# KiCad board NoU2-panelized.kicad_pcb (continued)
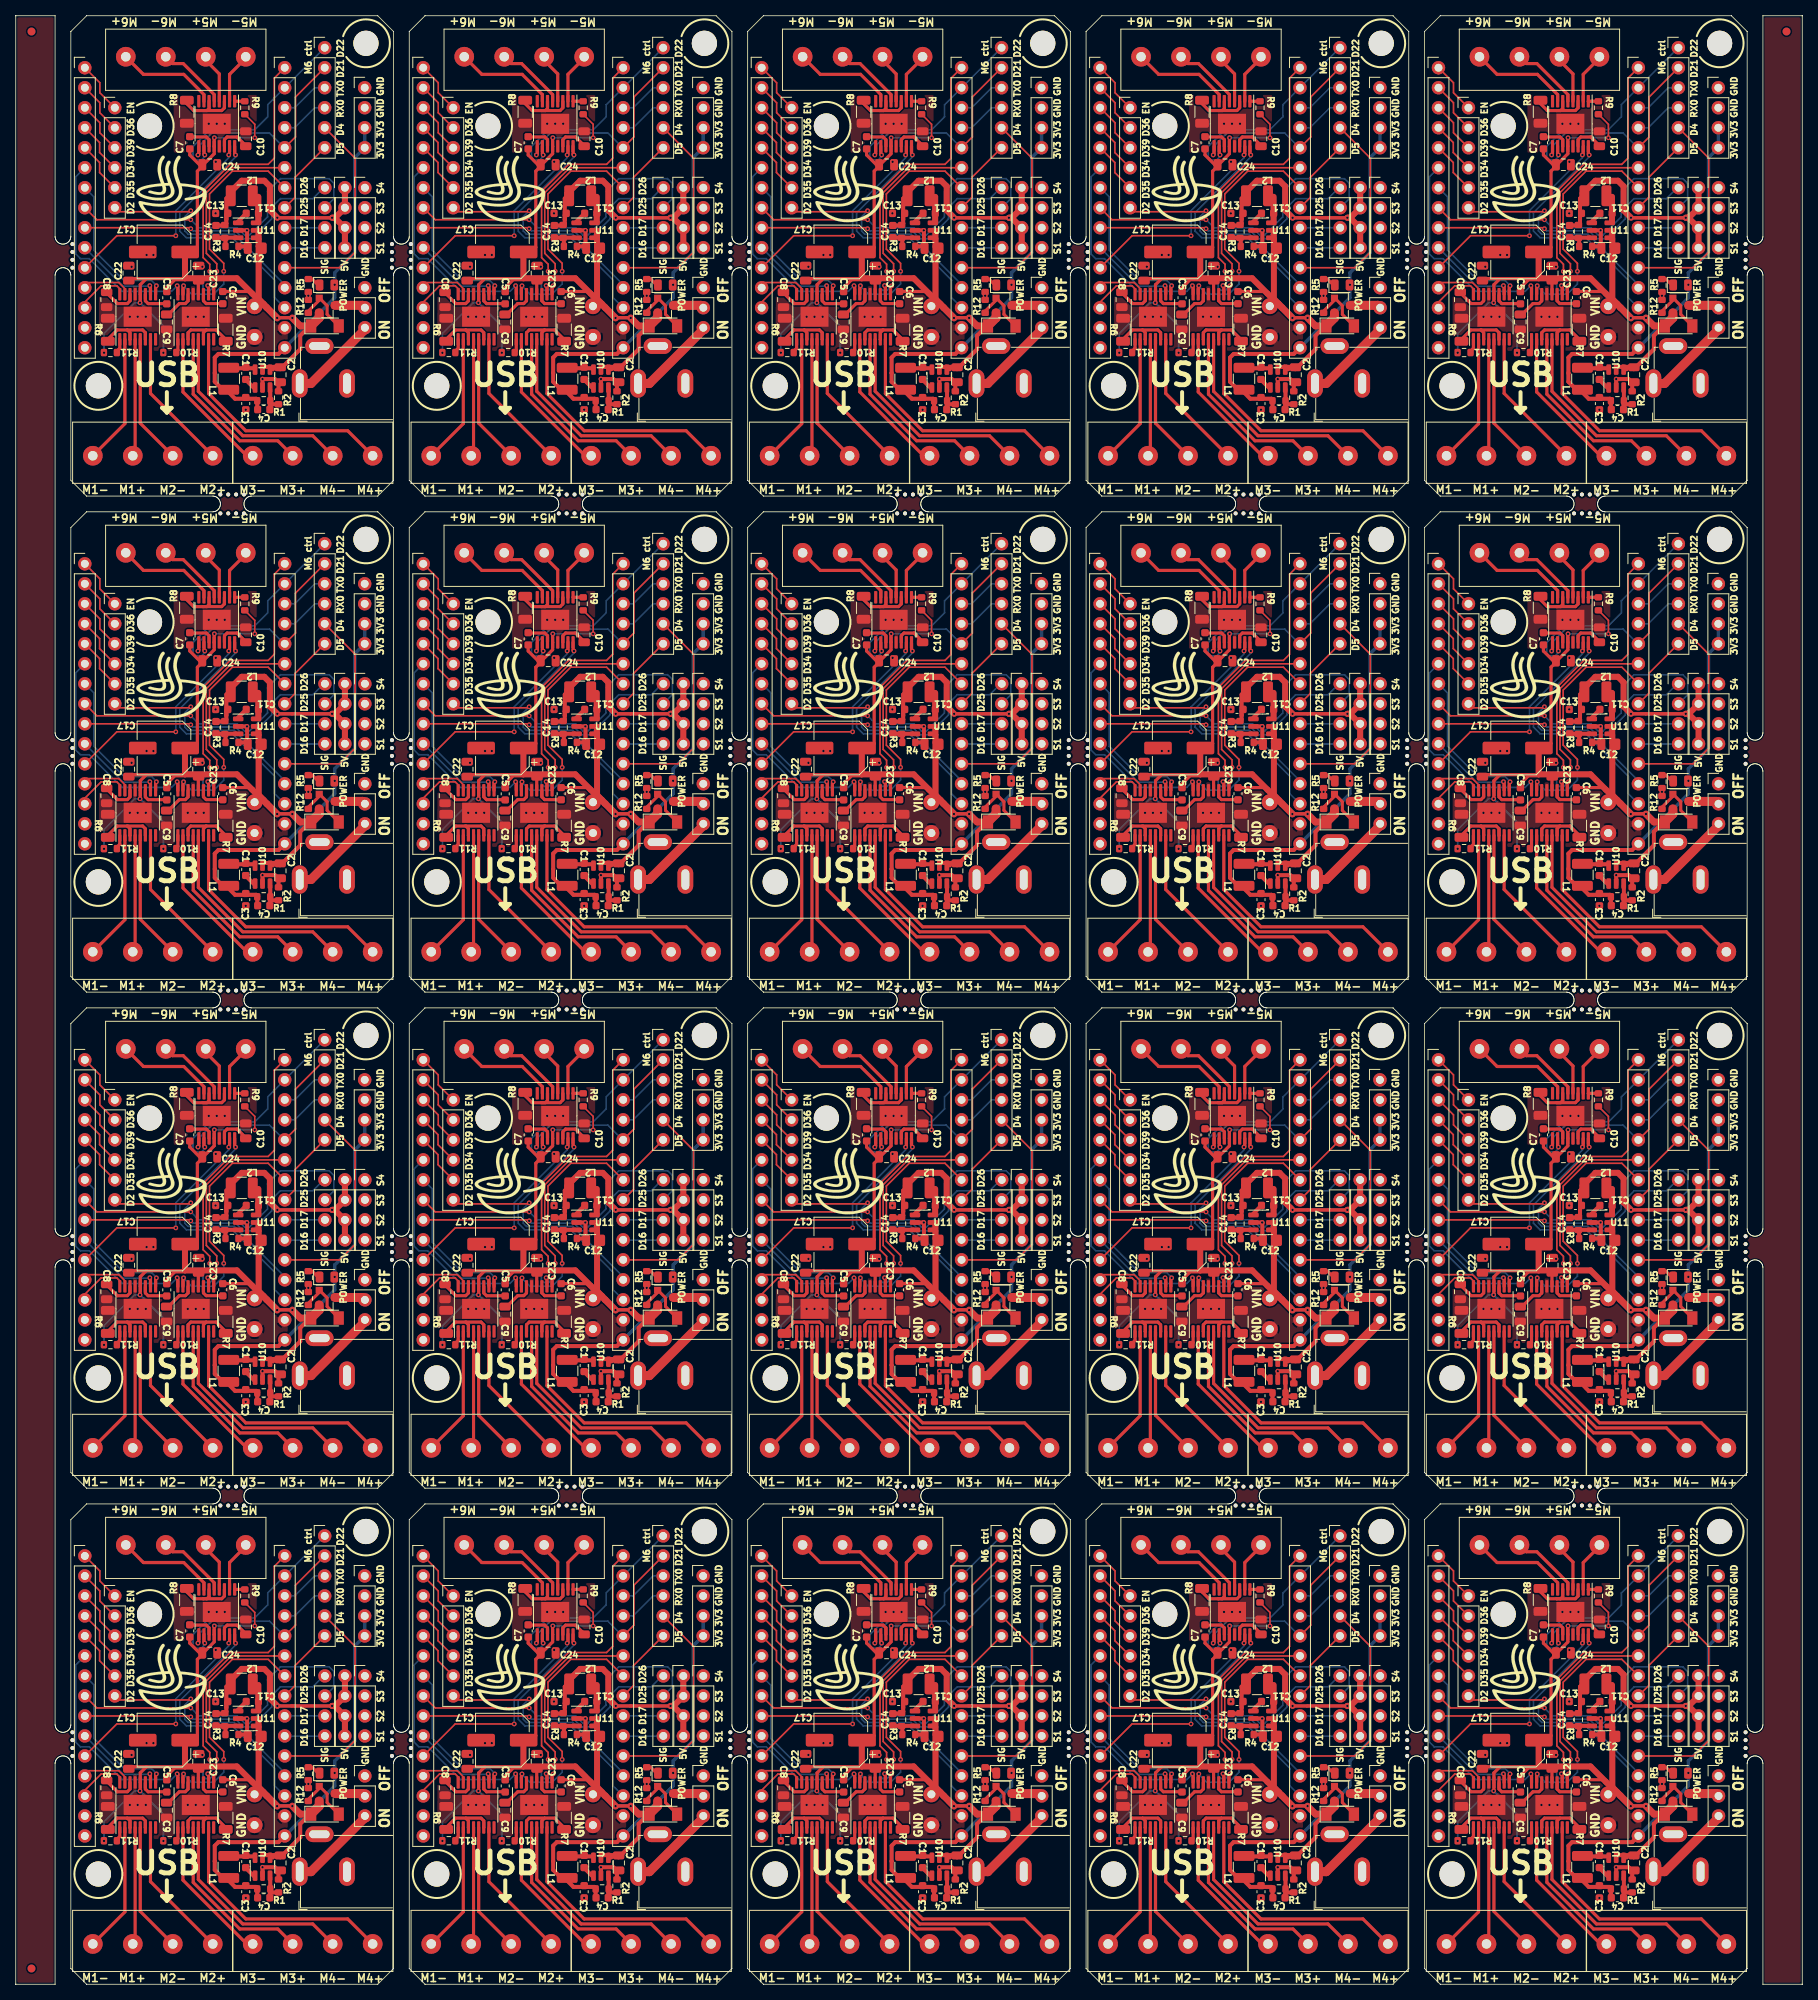
[diagram p0: board, top side]
## Placement (name value [footprint] x y rotation side) (continued)
C23#4  10uF  [C_0805_2012Metric]  109.23 154.31 90 top
C23#5  10uF  [C_0805_2012Metric]  23.23 91.31 90 top
C23#6  10uF  [C_0805_2012Metric]  109.23 28.31 90 top
C23#7  10uF  [C_0805_2012Metric]  23.23 154.31 90 top
C23#8  10uF  [C_0805_2012Metric]  152.23 28.31 90 top
C23#9  10uF  [C_0805_2012Metric]  152.23 154.31 90 top
C23#10  10uF  [C_0805_2012Metric]  66.23 217.31 90 top
C23#11  10uF  [C_0805_2012Metric]  66.23 91.31 90 top
C23#12  10uF  [C_0805_2012Metric]  23.23 217.31 90 top
C23#13  10uF  [C_0805_2012Metric]  66.23 28.31 90 top
C23#14  10uF  [C_0805_2012Metric]  195.23 28.31 90 top
C23#15  10uF  [C_0805_2012Metric]  195.23 217.31 90 top
C23#16  10uF  [C_0805_2012Metric]  195.23 91.31 90 top
C23#17  10uF  [C_0805_2012Metric]  109.23 91.31 90 top
C23#18  10uF  [C_0805_2012Metric]  152.23 91.31 90 top
C23#19  10uF  [C_0805_2012Metric]  66.23 154.31 90 top
C23#20  10uF  [C_0805_2012Metric]  109.23 217.31 90 top
C24  10uF  [C_0805_2012Metric]  67.65 105.08 0 top
C24#2  10uF  [C_0805_2012Metric]  24.65 168.08 0 top
C24#3  10uF  [C_0805_2012Metric]  196.65 168.08 0 top
C24#4  10uF  [C_0805_2012Metric]  24.65 42.08 0 top
C24#5  10uF  [C_0805_2012Metric]  196.65 231.08 0 top
C24#6  10uF  [C_0805_2012Metric]  153.65 168.08 0 top
C24#7  10uF  [C_0805_2012Metric]  196.65 105.08 0 top
C24#8  10uF  [C_0805_2012Metric]  110.65 168.08 0 top
C24#9  10uF  [C_0805_2012Metric]  153.65 105.08 0 top
C24#10  10uF  [C_0805_2012Metric]  24.65 105.08 0 top
C24#11  10uF  [C_0805_2012Metric]  153.65 231.08 0 top
C24#12  10uF  [C_0805_2012Metric]  110.65 105.08 0 top
C24#13  10uF  [C_0805_2012Metric]  67.65 42.08 0 top
C24#14  10uF  [C_0805_2012Metric]  67.65 168.08 0 top
C24#15  10uF  [C_0805_2012Metric]  196.65 42.08 0 top
C24#16  10uF  [C_0805_2012Metric]  110.65 42.08 0 top
C24#17  10uF  [C_0805_2012Metric]  110.65 231.08 0 top
C24#18  10uF  [C_0805_2012Metric]  24.65 231.08 0 top
C24#19  10uF  [C_0805_2012Metric]  67.65 231.08 0 top
C24#20  10uF  [C_0805_2012Metric]  153.65 42.08 0 top
D1  LED  [LED_0805_2012Metric]  125.54 152.81 0 top
D1#2  LED  [LED_0805_2012Metric]  125.54 26.81 0 top
D1#3  LED  [LED_0805_2012Metric]  39.54 89.81 0 top
D1#4  LED  [LED_0805_2012Metric]  82.54 26.81 0 top
D1#5  LED  [LED_0805_2012Metric]  211.54 26.81 0 top
D1#6  LED  [LED_0805_2012Metric]  168.54 26.81 0 top
D1#7  LED  [LED_0805_2012Metric]  39.54 215.81 0 top
D1#8  LED  [LED_0805_2012Metric]  125.54 89.81 0 top
D1#9  LED  [LED_0805_2012Metric]  211.54 152.81 0 top
D1#10  LED  [LED_0805_2012Metric]  82.54 89.81 0 top
D1#11  LED  [LED_0805_2012Metric]  168.54 152.81 0 top
D1#12  LED  [LED_0805_2012Metric]  168.54 215.81 0 top
D1#13  LED  [LED_0805_2012Metric]  39.54 26.81 0 top
D1#14  LED  [LED_0805_2012Metric]  82.54 215.81 0 top
D1#15  LED  [LED_0805_2012Metric]  82.54 152.81 0 top
D1#16  LED  [LED_0805_2012Metric]  125.54 215.81 0 top
D1#17  LED  [LED_0805_2012Metric]  39.54 152.81 0 top
D1#18  LED  [LED_0805_2012Metric]  211.54 215.81 0 top
D1#19  LED  [LED_0805_2012Metric]  211.54 89.81 0 top
D1#20  LED  [LED_0805_2012Metric]  168.54 89.81 0 top
D2  ZMM5V6  [D_MiniMELF]  168.28 21.6 0 top
D2#2  ZMM5V6  [D_MiniMELF]  125.28 84.6 0 top
D2#3  ZMM5V6  [D_MiniMELF]  82.28 210.6 0 top
D2#4  ZMM5V6  [D_MiniMELF]  211.28 147.6 0 top
D2#5  ZMM5V6  [D_MiniMELF]  168.28 210.6 0 top
D2#6  ZMM5V6  [D_MiniMELF]  39.28 21.6 0 top
D2#7  ZMM5V6  [D_MiniMELF]  211.28 84.6 0 top
D2#8  ZMM5V6  [D_MiniMELF]  211.28 21.6 0 top
D2#9  ZMM5V6  [D_MiniMELF]  82.28 84.6 0 top
D2#10  ZMM5V6  [D_MiniMELF]  82.28 147.6 0 top
D2#11  ZMM5V6  [D_MiniMELF]  211.28 210.6 0 top
D2#12  ZMM5V6  [D_MiniMELF]  125.28 210.6 0 top
D2#13  ZMM5V6  [D_MiniMELF]  125.28 21.6 0 top
D2#14  ZMM5V6  [D_MiniMELF]  168.28 84.6 0 top
D2#15  ZMM5V6  [D_MiniMELF]  39.28 210.6 0 top
D2#16  ZMM5V6  [D_MiniMELF]  82.28 21.6 0 top
D2#17  ZMM5V6  [D_MiniMELF]  39.28 84.6 0 top
D2#18  ZMM5V6  [D_MiniMELF]  125.28 147.6 0 top
D2#19  ZMM5V6  [D_MiniMELF]  39.28 147.6 0 top
D2#20  ZMM5V6  [D_MiniMELF]  168.28 147.6 0 top
G***  LOGO  [Alfredo_logo_small]  19.8 165 0 top
G***#2  LOGO  [Alfredo_logo_small]  148.8 228 0 top
G***#3  LOGO  [Alfredo_logo_small]  19.8 39 0 top
G***#4  LOGO  [Alfredo_logo_small]  191.8 165 0 top
G***#5  LOGO  [Alfredo_logo_small]  105.8 228 0 top
G***#6  LOGO  [Alfredo_logo_small]  62.8 165 0 top
G***#7  LOGO  [Alfredo_logo_small]  148.8 102 0 top
G***#8  LOGO  [Alfredo_logo_small]  62.8 102 0 top
G***#9  LOGO  [Alfredo_logo_small]  148.8 39 0 top
G***#10  LOGO  [Alfredo_logo_small]  191.8 102 0 top
G***#11  LOGO  [Alfredo_logo_small]  62.8 39 0 top
G***#12  LOGO  [Alfredo_logo_small]  105.8 102 0 top
G***#13  LOGO  [Alfredo_logo_small]  19.8 102 0 top
G***#14  LOGO  [Alfredo_logo_small]  105.8 39 0 top
G***#15  LOGO  [Alfredo_logo_small]  62.8 228 0 top
G***#16  LOGO  [Alfredo_logo_small]  105.8 165 0 top
G***#17  LOGO  [Alfredo_logo_small]  19.8 228 0 top
G***#18  LOGO  [Alfredo_logo_small]  191.8 228 0 top
G***#19  LOGO  [Alfredo_logo_small]  191.8 39 0 top
G***#20  LOGO  [Alfredo_logo_small]  148.8 165 0 top
J1  Conn_01x06_Male  [PinHeader_1x06_P2.54mm_Vertical]  168.26 119.94 0 top
J1#2  Conn_01x06_Male  [PinHeader_1x06_P2.54mm_Vertical]  82.26 182.94 0 top
J1#3  Conn_01x06_Male  [PinHeader_1x06_P2.54mm_Vertical]  39.26 119.94 0 top
J1#4  Conn_01x06_Male  [PinHeader_1x06_P2.54mm_Vertical]  39.26 245.94 0 top
J1#5  Conn_01x06_Male  [PinHeader_1x06_P2.54mm_Vertical]  125.26 245.94 0 top
J1#6  Conn_01x06_Male  [PinHeader_1x06_P2.54mm_Vertical]  168.26 56.94 0 top
J1#7  Conn_01x06_Male  [PinHeader_1x06_P2.54mm_Vertical]  211.26 56.94 0 top
J1#8  Conn_01x06_Male  [PinHeader_1x06_P2.54mm_Vertical]  39.26 56.94 0 top
J1#9  Conn_01x06_Male  [PinHeader_1x06_P2.54mm_Vertical]  211.26 119.94 0 top
J1#10  Conn_01x06_Male  [PinHeader_1x06_P2.54mm_Vertical]  125.26 182.94 0 top
J1#11  Conn_01x06_Male  [PinHeader_1x06_P2.54mm_Vertical]  168.26 182.94 0 top
J1#12  Conn_01x06_Male  [PinHeader_1x06_P2.54mm_Vertical]  125.26 119.94 0 top
J1#13  Conn_01x06_Male  [PinHeader_1x06_P2.54mm_Vertical]  168.26 245.94 0 top
J1#14  Conn_01x06_Male  [PinHeader_1x06_P2.54mm_Vertical]  211.26 245.94 0 top
J1#15  Conn_01x06_Male  [PinHeader_1x06_P2.54mm_Vertical]  82.26 56.94 0 top
J1#16  Conn_01x06_Male  [PinHeader_1x06_P2.54mm_Vertical]  82.26 245.94 0 top
J1#17  Conn_01x06_Male  [PinHeader_1x06_P2.54mm_Vertical]  82.26 119.94 0 top
J1#18  Conn_01x06_Male  [PinHeader_1x06_P2.54mm_Vertical]  39.26 182.94 0 top
J1#19  Conn_01x06_Male  [PinHeader_1x06_P2.54mm_Vertical]  125.26 56.94 0 top
J1#20  Conn_01x06_Male  [PinHeader_1x06_P2.54mm_Vertical]  211.26 182.94 0 top
J2  Conn_01x04_Male  [PinHeader_1x04_P2.54mm_Vertical]  39.28 39.16 0 top
J2#2  Conn_01x04_Male  [PinHeader_1x04_P2.54mm_Vertical]  211.28 102.16 0 top
J2#3  Conn_01x04_Male  [PinHeader_1x04_P2.54mm_Vertical]  211.28 228.16 0 top
J2#4  Conn_01x04_Male  [PinHeader_1x04_P2.54mm_Vertical]  39.28 165.16 0 top
J2#5  Conn_01x04_Male  [PinHeader_1x04_P2.54mm_Vertical]  125.28 165.16 0 top
J2#6  Conn_01x04_Male  [PinHeader_1x04_P2.54mm_Vertical]  168.28 102.16 0 top
J2#7  Conn_01x04_Male  [PinHeader_1x04_P2.54mm_Vertical]  82.28 228.16 0 top
J2#8  Conn_01x04_Male  [PinHeader_1x04_P2.54mm_Vertical]  168.28 39.16 0 top
J2#9  Conn_01x04_Male  [PinHeader_1x04_P2.54mm_Vertical]  168.28 165.16 0 top
J2#10  Conn_01x04_Male  [PinHeader_1x04_P2.54mm_Vertical]  211.28 165.16 0 top
J2#11  Conn_01x04_Male  [PinHeader_1x04_P2.54mm_Vertical]  39.28 102.16 0 top
J2#12  Conn_01x04_Male  [PinHeader_1x04_P2.54mm_Vertical]  168.28 228.16 0 top
J2#13  Conn_01x04_Male  [PinHeader_1x04_P2.54mm_Vertical]  125.28 228.16 0 top
J2#14  Conn_01x04_Male  [PinHeader_1x04_P2.54mm_Vertical]  211.28 39.16 0 top
J2#15  Conn_01x04_Male  [PinHeader_1x04_P2.54mm_Vertical]  82.28 102.16 0 top
J2#16  Conn_01x04_Male  [PinHeader_1x04_P2.54mm_Vertical]  125.28 102.16 0 top
J2#17  Conn_01x04_Male  [PinHeader_1x04_P2.54mm_Vertical]  82.28 39.16 0 top
J2#18  Conn_01x04_Male  [PinHeader_1x04_P2.54mm_Vertical]  82.28 165.16 0 top
J2#19  Conn_01x04_Male  [PinHeader_1x04_P2.54mm_Vertical]  125.28 39.16 0 top
J2#20  Conn_01x04_Male  [PinHeader_1x04_P2.54mm_Vertical]  39.28 228.16 0 top
J3  Conn_01x04_Male  [PinHeader_1x04_P2.54mm_Vertical]  44.34 177.86 0 top
J3#2  Conn_01x04_Male  [PinHeader_1x04_P2.54mm_Vertical]  173.34 240.86 0 top
J3#3  Conn_01x04_Male  [PinHeader_1x04_P2.54mm_Vertical]  130.34 114.86 0 top
J3#4  Conn_01x04_Male  [PinHeader_1x04_P2.54mm_Vertical]  173.34 114.86 0 top
J3#5  Conn_01x04_Male  [PinHeader_1x04_P2.54mm_Vertical]  87.34 114.86 0 top
J3#6  Conn_01x04_Male  [PinHeader_1x04_P2.54mm_Vertical]  173.34 177.86 0 top
J3#7  Conn_01x04_Male  [PinHeader_1x04_P2.54mm_Vertical]  173.34 51.86 0 top
J3#8  Conn_01x04_Male  [PinHeader_1x04_P2.54mm_Vertical]  44.34 51.86 0 top
J3#9  Conn_01x04_Male  [PinHeader_1x04_P2.54mm_Vertical]  130.34 240.86 0 top
J3#10  Conn_01x04_Male  [PinHeader_1x04_P2.54mm_Vertical]  130.34 177.86 0 top
J3#11  Conn_01x04_Male  [PinHeader_1x04_P2.54mm_Vertical]  130.34 51.86 0 top
J3#12  Conn_01x04_Male  [PinHeader_1x04_P2.54mm_Vertical]  216.34 177.86 0 top
J3#13  Conn_01x04_Male  [PinHeader_1x04_P2.54mm_Vertical]  216.34 51.86 0 top
J3#14  Conn_01x04_Male  [PinHeader_1x04_P2.54mm_Vertical]  87.34 177.86 0 top
J3#15  Conn_01x04_Male  [PinHeader_1x04_P2.54mm_Vertical]  44.34 114.86 0 top
J3#16  Conn_01x04_Male  [PinHeader_1x04_P2.54mm_Vertical]  216.34 114.86 0 top
J3#17  Conn_01x04_Male  [PinHeader_1x04_P2.54mm_Vertical]  216.34 240.86 0 top
J3#18  Conn_01x04_Male  [PinHeader_1x04_P2.54mm_Vertical]  44.34 240.86 0 top
J3#19  Conn_01x04_Male  [PinHeader_1x04_P2.54mm_Vertical]  87.34 51.86 0 top
J3#20  Conn_01x04_Male  [PinHeader_1x04_P2.54mm_Vertical]  87.34 240.86 0 top
J4  Conn_01x06_Male  [PinHeader_1x06_P2.54mm_Vertical]  141.59 175.32 0 top
J4#2  Conn_01x06_Male  [PinHeader_1x06_P2.54mm_Vertical]  141.59 49.32 0 top
J4#3  Conn_01x06_Male  [PinHeader_1x06_P2.54mm_Vertical]  141.59 112.32 0 top
J4#4  Conn_01x06_Male  [PinHeader_1x06_P2.54mm_Vertical]  55.59 112.32 0 top
J4#5  Conn_01x06_Male  [PinHeader_1x06_P2.54mm_Vertical]  55.59 238.32 0 top
J4#6  Conn_01x06_Male  [PinHeader_1x06_P2.54mm_Vertical]  55.59 175.32 0 top
J4#7  Conn_01x06_Male  [PinHeader_1x06_P2.54mm_Vertical]  184.59 175.32 0 top
J4#8  Conn_01x06_Male  [PinHeader_1x06_P2.54mm_Vertical]  141.59 238.32 0 top
J4#9  Conn_01x06_Male  [PinHeader_1x06_P2.54mm_Vertical]  12.59 112.32 0 top
J4#10  Conn_01x06_Male  [PinHeader_1x06_P2.54mm_Vertical]  55.59 49.32 0 top
J4#11  Conn_01x06_Male  [PinHeader_1x06_P2.54mm_Vertical]  98.59 112.32 0 top
J4#12  Conn_01x06_Male  [PinHeader_1x06_P2.54mm_Vertical]  184.59 112.32 0 top
J4#13  Conn_01x06_Male  [PinHeader_1x06_P2.54mm_Vertical]  184.59 49.32 0 top
J4#14  Conn_01x06_Male  [PinHeader_1x06_P2.54mm_Vertical]  12.59 49.32 0 top
J4#15  Conn_01x06_Male  [PinHeader_1x06_P2.54mm_Vertical]  98.59 238.32 0 top
J4#16  Conn_01x06_Male  [PinHeader_1x06_P2.54mm_Vertical]  98.59 49.32 0 top
J4#17  Conn_01x06_Male  [PinHeader_1x06_P2.54mm_Vertical]  12.59 238.32 0 top
J4#18  Conn_01x06_Male  [PinHeader_1x06_P2.54mm_Vertical]  98.59 175.32 0 top
J4#19  Conn_01x06_Male  [PinHeader_1x06_P2.54mm_Vertical]  12.59 175.32 0 top
J4#20  Conn_01x06_Male  [PinHeader_1x06_P2.54mm_Vertical]  184.59 238.32 0 top
J5  Conn_01x04_Male  [PinHeader_1x04_P2.54mm_Vertical]  44.36 228.16 0 top
J5#2  Conn_01x04_Male  [PinHeader_1x04_P2.54mm_Vertical]  44.36 165.16 0 top
J5#3  Conn_01x04_Male  [PinHeader_1x04_P2.54mm_Vertical]  173.36 228.16 0 top
J5#4  Conn_01x04_Male  [PinHeader_1x04_P2.54mm_Vertical]  87.36 102.16 0 top
J5#5  Conn_01x04_Male  [PinHeader_1x04_P2.54mm_Vertical]  130.36 165.16 0 top
J5#6  Conn_01x04_Male  [PinHeader_1x04_P2.54mm_Vertical]  87.36 39.16 0 top
J5#7  Conn_01x04_Male  [PinHeader_1x04_P2.54mm_Vertical]  130.36 102.16 0 top
J5#8  Conn_01x04_Male  [PinHeader_1x04_P2.54mm_Vertical]  130.36 39.16 0 top
J5#9  Conn_01x04_Male  [PinHeader_1x04_P2.54mm_Vertical]  216.36 39.16 0 top
J5#10  Conn_01x04_Male  [PinHeader_1x04_P2.54mm_Vertical]  87.36 165.16 0 top
J5#11  Conn_01x04_Male  [PinHeader_1x04_P2.54mm_Vertical]  44.36 102.16 0 top
J5#12  Conn_01x04_Male  [PinHeader_1x04_P2.54mm_Vertical]  216.36 165.16 0 top
J5#13  Conn_01x04_Male  [PinHeader_1x04_P2.54mm_Vertical]  173.36 102.16 0 top
J5#14  Conn_01x04_Male  [PinHeader_1x04_P2.54mm_Vertical]  44.36 39.16 0 top
J5#15  Conn_01x04_Male  [PinHeader_1x04_P2.54mm_Vertical]  130.36 228.16 0 top
J5#16  Conn_01x04_Male  [PinHeader_1x04_P2.54mm_Vertical]  216.36 228.16 0 top
J5#17  Conn_01x04_Male  [PinHeader_1x04_P2.54mm_Vertical]  216.36 102.16 0 top
J5#18  Conn_01x04_Male  [PinHeader_1x04_P2.54mm_Vertical]  87.36 228.16 0 top
J5#19  Conn_01x04_Male  [PinHeader_1x04_P2.54mm_Vertical]  173.36 39.16 0 top
J5#20  Conn_01x04_Male  [PinHeader_1x04_P2.54mm_Vertical]  173.36 165.16 0 top
J6  Screw_Terminal_01x04  [TerminalBlock_bornier-4_P5.08mm]  52.79 194.12 0 top
J6#2  Screw_Terminal_01x04  [TerminalBlock_bornier-4_P5.08mm]  138.79 131.12 0 top
J6#3  Screw_Terminal_01x04  [TerminalBlock_bornier-4_P5.08mm]  181.79 68.12 0 top
J6#4  Screw_Terminal_01x04  [TerminalBlock_bornier-4_P5.08mm]  138.79 68.12 0 top
J6#5  Screw_Terminal_01x04  [TerminalBlock_bornier-4_P5.08mm]  138.79 5.12 0 top
J6#6  Screw_Terminal_01x04  [TerminalBlock_bornier-4_P5.08mm]  52.79 131.12 0 top
J6#7  Screw_Terminal_01x04  [TerminalBlock_bornier-4_P5.08mm]  52.79 5.12 0 top
J6#8  Screw_Terminal_01x04  [TerminalBlock_bornier-4_P5.08mm]  9.79 194.12 0 top
J6#9  Screw_Terminal_01x04  [TerminalBlock_bornier-4_P5.08mm]  138.79 194.12 0 top
J6#10  Screw_Terminal_01x04  [TerminalBlock_bornier-4_P5.08mm]  181.79 5.12 0 top
J6#11  Screw_Terminal_01x04  [TerminalBlock_bornier-4_P5.08mm]  181.79 131.12 0 top
J6#12  Screw_Terminal_01x04  [TerminalBlock_bornier-4_P5.08mm]  95.79 194.12 0 top
J6#13  Screw_Terminal_01x04  [TerminalBlock_bornier-4_P5.08mm]  9.79 5.12 0 top
J6#14  Screw_Terminal_01x04  [TerminalBlock_bornier-4_P5.08mm]  95.79 131.12 0 top
J6#15  Screw_Terminal_01x04  [TerminalBlock_bornier-4_P5.08mm]  95.79 68.12 0 top
J6#16  Screw_Terminal_01x04  [TerminalBlock_bornier-4_P5.08mm]  95.79 5.12 0 top
J6#17  Screw_Terminal_01x04  [TerminalBlock_bornier-4_P5.08mm]  9.79 131.12 0 top
J6#18  Screw_Terminal_01x04  [TerminalBlock_bornier-4_P5.08mm]  181.79 194.12 0 top
J6#19  Screw_Terminal_01x04  [TerminalBlock_bornier-4_P5.08mm]  9.79 68.12 0 top
J6#20  Screw_Terminal_01x04  [TerminalBlock_bornier-4_P5.08mm]  52.79 68.12 0 top
J7  Screw_Terminal_01x04  [TerminalBlock_bornier-4_P5.08mm]  30.11 5.12 0 top
J7#2  Screw_Terminal_01x04  [TerminalBlock_bornier-4_P5.08mm]  73.11 5.12 0 top
J7#3  Screw_Terminal_01x04  [TerminalBlock_bornier-4_P5.08mm]  30.11 68.12 0 top
J7#4  Screw_Terminal_01x04  [TerminalBlock_bornier-4_P5.08mm]  202.11 5.12 0 top
J7#5  Screw_Terminal_01x04  [TerminalBlock_bornier-4_P5.08mm]  30.11 131.12 0 top
J7#6  Screw_Terminal_01x04  [TerminalBlock_bornier-4_P5.08mm]  159.11 194.12 0 top
J7#7  Screw_Terminal_01x04  [TerminalBlock_bornier-4_P5.08mm]  73.11 68.12 0 top
J7#8  Screw_Terminal_01x04  [TerminalBlock_bornier-4_P5.08mm]  116.11 5.12 0 top
J7#9  Screw_Terminal_01x04  [TerminalBlock_bornier-4_P5.08mm]  30.11 194.12 0 top
J7#10  Screw_Terminal_01x04  [TerminalBlock_bornier-4_P5.08mm]  202.11 194.12 0 top
J7#11  Screw_Terminal_01x04  [TerminalBlock_bornier-4_P5.08mm]  116.11 131.12 0 top
J7#12  Screw_Terminal_01x04  [TerminalBlock_bornier-4_P5.08mm]  116.11 68.12 0 top
J7#13  Screw_Terminal_01x04  [TerminalBlock_bornier-4_P5.08mm]  159.11 131.12 0 top
J7#14  Screw_Terminal_01x04  [TerminalBlock_bornier-4_P5.08mm]  202.11 68.12 0 top
J7#15  Screw_Terminal_01x04  [TerminalBlock_bornier-4_P5.08mm]  202.11 131.12 0 top
J7#16  Screw_Terminal_01x04  [TerminalBlock_bornier-4_P5.08mm]  159.11 68.12 0 top
J7#17  Screw_Terminal_01x04  [TerminalBlock_bornier-4_P5.08mm]  116.11 194.12 0 top
J7#18  Screw_Terminal_01x04  [TerminalBlock_bornier-4_P5.08mm]  159.11 5.12 0 top
J7#19  Screw_Terminal_01x04  [TerminalBlock_bornier-4_P5.08mm]  73.11 131.12 0 top
J7#20  Screw_Terminal_01x04  [TerminalBlock_bornier-4_P5.08mm]  73.11 194.12 0 top
J8  Screw_Terminal_01x04  [TerminalBlock_bornier-4_P5.08mm]  29.23 118.79 180 top
J8#2  Screw_Terminal_01x04  [TerminalBlock_bornier-4_P5.08mm]  201.22 244.79 180 top
J8#3  Screw_Terminal_01x04  [TerminalBlock_bornier-4_P5.08mm]  115.22 181.79 180 top
J8#4  Screw_Terminal_01x04  [TerminalBlock_bornier-4_P5.08mm]  115.22 244.79 180 top
J8#5  Screw_Terminal_01x04  [TerminalBlock_bornier-4_P5.08mm]  29.23 55.79 180 top
J8#6  Screw_Terminal_01x04  [TerminalBlock_bornier-4_P5.08mm]  29.23 244.79 180 top
J8#7  Screw_Terminal_01x04  [TerminalBlock_bornier-4_P5.08mm]  29.23 181.79 180 top
J8#8  Screw_Terminal_01x04  [TerminalBlock_bornier-4_P5.08mm]  72.22 118.79 180 top
J8#9  Screw_Terminal_01x04  [TerminalBlock_bornier-4_P5.08mm]  201.22 55.79 180 top
J8#10  Screw_Terminal_01x04  [TerminalBlock_bornier-4_P5.08mm]  72.22 244.79 180 top
J8#11  Screw_Terminal_01x04  [TerminalBlock_bornier-4_P5.08mm]  158.22 118.79 180 top
J8#12  Screw_Terminal_01x04  [TerminalBlock_bornier-4_P5.08mm]  115.22 118.79 180 top
J8#13  Screw_Terminal_01x04  [TerminalBlock_bornier-4_P5.08mm]  201.22 118.79 180 top
J8#14  Screw_Terminal_01x04  [TerminalBlock_bornier-4_P5.08mm]  201.22 181.79 180 top
J8#15  Screw_Terminal_01x04  [TerminalBlock_bornier-4_P5.08mm]  158.22 244.79 180 top
J8#16  Screw_Terminal_01x04  [TerminalBlock_bornier-4_P5.08mm]  158.22 55.79 180 top
J8#17  Screw_Terminal_01x04  [TerminalBlock_bornier-4_P5.08mm]  158.22 181.79 180 top
J8#18  Screw_Terminal_01x04  [TerminalBlock_bornier-4_P5.08mm]  72.22 181.79 180 top
J8#19  Screw_Terminal_01x04  [TerminalBlock_bornier-4_P5.08mm]  115.22 55.79 180 top
J8#20  Screw_Terminal_01x04  [TerminalBlock_bornier-4_P5.08mm]  72.22 55.79 180 top
J9  Barrel_Jack  [BarrelJack_Horizontal_Good]  208.08 14.3 180 top
J9#2  Barrel_Jack  [BarrelJack_Horizontal_Good]  122.08 77.3 180 top
J9#3  Barrel_Jack  [BarrelJack_Horizontal_Good]  79.08 77.3 180 top
J9#4  Barrel_Jack  [BarrelJack_Horizontal_Good]  79.08 14.3 180 top
J9#5  Barrel_Jack  [BarrelJack_Horizontal_Good]  165.08 140.3 180 top
J9#6  Barrel_Jack  [BarrelJack_Horizontal_Good]  165.08 203.3 180 top
J9#7  Barrel_Jack  [BarrelJack_Horizontal_Good]  165.08 14.3 180 top
J9#8  Barrel_Jack  [BarrelJack_Horizontal_Good]  208.08 140.3 180 top
J9#9  Barrel_Jack  [BarrelJack_Horizontal_Good]  122.08 203.3 180 top
J9#10  Barrel_Jack  [BarrelJack_Horizontal_Good]  79.08 140.3 180 top
J9#11  Barrel_Jack  [BarrelJack_Horizontal_Good]  122.08 140.3 180 top
J9#12  Barrel_Jack  [BarrelJack_Horizontal_Good]  165.08 77.3 180 top
J9#13  Barrel_Jack  [BarrelJack_Horizontal_Good]  208.08 77.3 180 top
J9#14  Barrel_Jack  [BarrelJack_Horizontal_Good]  36.08 140.3 180 top
J9#15  Barrel_Jack  [BarrelJack_Horizontal_Good]  79.08 203.3 180 top
J9#16  Barrel_Jack  [BarrelJack_Horizontal_Good]  36.08 203.3 180 top
J9#17  Barrel_Jack  [BarrelJack_Horizontal_Good]  36.08 77.3 180 top
J9#18  Barrel_Jack  [BarrelJack_Horizontal_Good]  208.08 203.3 180 top
J9#19  Barrel_Jack  [BarrelJack_Horizontal_Good]  36.08 14.3 180 top
J9#20  Barrel_Jack  [BarrelJack_Horizontal_Good]  122.08 14.3 180 top
J10  Conn_01x15_Female  [PinHeader_1x15_P2.54mm_Vertical]  51.78 180.4 0 top
J10#2  Conn_01x15_Female  [PinHeader_1x15_P2.54mm_Vertical]  180.78 117.4 0 top
J10#3  Conn_01x15_Female  [PinHeader_1x15_P2.54mm_Vertical]  51.78 117.4 0 top
J10#4  Conn_01x15_Female  [PinHeader_1x15_P2.54mm_Vertical]  180.78 243.4 0 top
J10#5  Conn_01x15_Female  [PinHeader_1x15_P2.54mm_Vertical]  137.78 180.4 0 top
J10#6  Conn_01x15_Female  [PinHeader_1x15_P2.54mm_Vertical]  94.78 180.4 0 top
J10#7  Conn_01x15_Female  [PinHeader_1x15_P2.54mm_Vertical]  180.78 54.4 0 top
J10#8  Conn_01x15_Female  [PinHeader_1x15_P2.54mm_Vertical]  137.78 54.4 0 top
J10#9  Conn_01x15_Female  [PinHeader_1x15_P2.54mm_Vertical]  94.78 117.4 0 top
J10#10  Conn_01x15_Female  [PinHeader_1x15_P2.54mm_Vertical]  8.78 117.4 0 top
J10#11  Conn_01x15_Female  [PinHeader_1x15_P2.54mm_Vertical]  94.78 243.4 0 top
J10#12  Conn_01x15_Female  [PinHeader_1x15_P2.54mm_Vertical]  137.78 117.4 0 top
J10#13  Conn_01x15_Female  [PinHeader_1x15_P2.54mm_Vertical]  8.78 54.4 0 top
J10#14  Conn_01x15_Female  [PinHeader_1x15_P2.54mm_Vertical]  94.78 54.4 0 top
J10#15  Conn_01x15_Female  [PinHeader_1x15_P2.54mm_Vertical]  8.78 243.4 0 top
J10#16  Conn_01x15_Female  [PinHeader_1x15_P2.54mm_Vertical]  8.78 180.4 0 top
J10#17  Conn_01x15_Female  [PinHeader_1x15_P2.54mm_Vertical]  180.78 180.4 0 top
J10#18  Conn_01x15_Female  [PinHeader_1x15_P2.54mm_Vertical]  51.78 243.4 0 top
J10#19  Conn_01x15_Female  [PinHeader_1x15_P2.54mm_Vertical]  51.78 54.4 0 top
J10#20  Conn_01x15_Female  [PinHeader_1x15_P2.54mm_Vertical]  137.78 243.4 0 top
J11  Conn_01x15_Female  [PinHeader_1x15_P2.54mm_Vertical]  120.18 180.4 0 top
J11#2  Conn_01x15_Female  [PinHeader_1x15_P2.54mm_Vertical]  77.18 117.4 0 top
J11#3  Conn_01x15_Female  [PinHeader_1x15_P2.54mm_Vertical]  120.18 54.4 0 top
J11#4  Conn_01x15_Female  [PinHeader_1x15_P2.54mm_Vertical]  206.18 54.4 0 top
J11#5  Conn_01x15_Female  [PinHeader_1x15_P2.54mm_Vertical]  163.18 117.4 0 top
J11#6  Conn_01x15_Female  [PinHeader_1x15_P2.54mm_Vertical]  34.18 117.4 0 top
J11#7  Conn_01x15_Female  [PinHeader_1x15_P2.54mm_Vertical]  34.18 243.4 0 top
J11#8  Conn_01x15_Female  [PinHeader_1x15_P2.54mm_Vertical]  120.18 117.4 0 top
J11#9  Conn_01x15_Female  [PinHeader_1x15_P2.54mm_Vertical]  163.18 243.4 0 top
J11#10  Conn_01x15_Female  [PinHeader_1x15_P2.54mm_Vertical]  34.18 54.4 0 top
J11#11  Conn_01x15_Female  [PinHeader_1x15_P2.54mm_Vertical]  34.18 180.4 0 top
J11#12  Conn_01x15_Female  [PinHeader_1x15_P2.54mm_Vertical]  120.18 243.4 0 top
J11#13  Conn_01x15_Female  [PinHeader_1x15_P2.54mm_Vertical]  77.18 180.4 0 top
J11#14  Conn_01x15_Female  [PinHeader_1x15_P2.54mm_Vertical]  77.18 243.4 0 top
J11#15  Conn_01x15_Female  [PinHeader_1x15_P2.54mm_Vertical]  163.18 180.4 0 top
J11#16  Conn_01x15_Female  [PinHeader_1x15_P2.54mm_Vertical]  206.18 117.4 0 top
J11#17  Conn_01x15_Female  [PinHeader_1x15_P2.54mm_Vertical]  206.18 243.4 0 top
J11#18  Conn_01x15_Female  [PinHeader_1x15_P2.54mm_Vertical]  163.18 54.4 0 top
J11#19  Conn_01x15_Female  [PinHeader_1x15_P2.54mm_Vertical]  206.18 180.4 0 top
J11#20  Conn_01x15_Female  [PinHeader_1x15_P2.54mm_Vertical]  77.18 54.4 0 top
J12  Conn_01x04_Male  [PinHeader_1x04_P2.54mm_Vertical]  213.82 165.16 0 top
J12#2  Conn_01x04_Male  [PinHeader_1x04_P2.54mm_Vertical]  41.82 102.16 0 top
J12#3  Conn_01x04_Male  [PinHeader_1x04_P2.54mm_Vertical]  213.82 39.16 0 top
J12#4  Conn_01x04_Male  [PinHeader_1x04_P2.54mm_Vertical]  170.82 39.16 0 top
J12#5  Conn_01x04_Male  [PinHeader_1x04_P2.54mm_Vertical]  170.82 165.16 0 top
J12#6  Conn_01x04_Male  [PinHeader_1x04_P2.54mm_Vertical]  84.82 228.16 0 top
J12#7  Conn_01x04_Male  [PinHeader_1x04_P2.54mm_Vertical]  41.82 165.16 0 top
J12#8  Conn_01x04_Male  [PinHeader_1x04_P2.54mm_Vertical]  213.82 228.16 0 top
J12#9  Conn_01x04_Male  [PinHeader_1x04_P2.54mm_Vertical]  127.82 165.16 0 top
J12#10  Conn_01x04_Male  [PinHeader_1x04_P2.54mm_Vertical]  170.82 228.16 0 top
J12#11  Conn_01x04_Male  [PinHeader_1x04_P2.54mm_Vertical]  41.82 228.16 0 top
J12#12  Conn_01x04_Male  [PinHeader_1x04_P2.54mm_Vertical]  84.82 39.16 0 top
J12#13  Conn_01x04_Male  [PinHeader_1x04_P2.54mm_Vertical]  84.82 102.16 0 top
J12#14  Conn_01x04_Male  [PinHeader_1x04_P2.54mm_Vertical]  41.82 39.16 0 top
J12#15  Conn_01x04_Male  [PinHeader_1x04_P2.54mm_Vertical]  213.82 102.16 0 top
J12#16  Conn_01x04_Male  [PinHeader_1x04_P2.54mm_Vertical]  127.82 102.16 0 top
J12#17  Conn_01x04_Male  [PinHeader_1x04_P2.54mm_Vertical]  127.82 39.16 0 top
J12#18  Conn_01x04_Male  [PinHeader_1x04_P2.54mm_Vertical]  127.82 228.16 0 top
J12#19  Conn_01x04_Male  [PinHeader_1x04_P2.54mm_Vertical]  170.82 102.16 0 top
J12#20  Conn_01x04_Male  [PinHeader_1x04_P2.54mm_Vertical]  84.82 165.16 0 top
J13  Conn_01x01  [PinSocket_1x01_P2.54mm_Vertical]  159.34 146.21 0 top
J13#2  Conn_01x01  [PinSocket_1x01_P2.54mm_Vertical]  159.34 209.21 0 top
J13#3  Conn_01x01  [PinSocket_1x01_P2.54mm_Vertical]  159.34 83.21 0 top
J13#4  Conn_01x01  [PinSocket_1x01_P2.54mm_Vertical]  116.34 146.21 0 top
J13#5  Conn_01x01  [PinSocket_1x01_P2.54mm_Vertical]  73.34 209.21 0 top
J13#6  Conn_01x01  [PinSocket_1x01_P2.54mm_Vertical]  159.34 20.21 0 top
J13#7  Conn_01x01  [PinSocket_1x01_P2.54mm_Vertical]  116.34 209.21 0 top
J13#8  Conn_01x01  [PinSocket_1x01_P2.54mm_Vertical]  73.34 83.21 0 top
J13#9  Conn_01x01  [PinSocket_1x01_P2.54mm_Vertical]  30.34 146.21 0 top
J13#10  Conn_01x01  [PinSocket_1x01_P2.54mm_Vertical]  30.34 83.21 0 top
J13#11  Conn_01x01  [PinSocket_1x01_P2.54mm_Vertical]  73.34 20.21 0 top
J13#12  Conn_01x01  [PinSocket_1x01_P2.54mm_Vertical]  202.34 146.21 0 top
J13#13  Conn_01x01  [PinSocket_1x01_P2.54mm_Vertical]  202.34 83.21 0 top
J13#14  Conn_01x01  [PinSocket_1x01_P2.54mm_Vertical]  30.34 20.21 0 top
J13#15  Conn_01x01  [PinSocket_1x01_P2.54mm_Vertical]  202.34 209.21 0 top
J13#16  Conn_01x01  [PinSocket_1x01_P2.54mm_Vertical]  73.34 146.21 0 top
J13#17  Conn_01x01  [PinSocket_1x01_P2.54mm_Vertical]  116.34 83.21 0 top
J13#18  Conn_01x01  [PinSocket_1x01_P2.54mm_Vertical]  30.34 209.21 0 top
J13#19  Conn_01x01  [PinSocket_1x01_P2.54mm_Vertical]  116.34 20.21 0 top
J13#20  Conn_01x01  [PinSocket_1x01_P2.54mm_Vertical]  202.34 20.21 0 top
J14  Conn_01x01  [PinSocket_1x01_P2.54mm_Vertical]  73.34 213.12 0 top
J14#2  Conn_01x01  [PinSocket_1x01_P2.54mm_Vertical]  116.34 24.12 0 top
J14#3  Conn_01x01  [PinSocket_1x01_P2.54mm_Vertical]  30.34 213.12 0 top
J14#4  Conn_01x01  [PinSocket_1x01_P2.54mm_Vertical]  73.34 87.12 0 top
J14#5  Conn_01x01  [PinSocket_1x01_P2.54mm_Vertical]  202.34 87.12 0 top
J14#6  Conn_01x01  [PinSocket_1x01_P2.54mm_Vertical]  202.34 24.12 0 top
J14#7  Conn_01x01  [PinSocket_1x01_P2.54mm_Vertical]  116.34 213.12 0 top
J14#8  Conn_01x01  [PinSocket_1x01_P2.54mm_Vertical]  30.34 87.12 0 top
J14#9  Conn_01x01  [PinSocket_1x01_P2.54mm_Vertical]  159.34 150.12 0 top
J14#10  Conn_01x01  [PinSocket_1x01_P2.54mm_Vertical]  116.34 150.12 0 top
J14#11  Conn_01x01  [PinSocket_1x01_P2.54mm_Vertical]  73.34 150.12 0 top
J14#12  Conn_01x01  [PinSocket_1x01_P2.54mm_Vertical]  116.34 87.12 0 top
J14#13  Conn_01x01  [PinSocket_1x01_P2.54mm_Vertical]  159.34 213.12 0 top
J14#14  Conn_01x01  [PinSocket_1x01_P2.54mm_Vertical]  30.34 24.12 0 top
J14#15  Conn_01x01  [PinSocket_1x01_P2.54mm_Vertical]  30.34 150.12 0 top
J14#16  Conn_01x01  [PinSocket_1x01_P2.54mm_Vertical]  73.34 24.12 0 top
J14#17  Conn_01x01  [PinSocket_1x01_P2.54mm_Vertical]  202.34 213.12 0 top
J14#18  Conn_01x01  [PinSocket_1x01_P2.54mm_Vertical]  159.34 87.12 0 top
J14#19  Conn_01x01  [PinSocket_1x01_P2.54mm_Vertical]  159.34 24.12 0 top
J14#20  Conn_01x01  [PinSocket_1x01_P2.54mm_Vertical]  202.34 150.12 0 top
L1  4.7uH  [L_1210_3225Metric]  199.07 77.9 270 top
L1#2  4.7uH  [L_1210_3225Metric]  156.07 14.9 270 top
L1#3  4.7uH  [L_1210_3225Metric]  156.07 203.9 270 top
L1#4  4.7uH  [L_1210_3225Metric]  199.07 140.9 270 top
L1#5  4.7uH  [L_1210_3225Metric]  70.07 77.9 270 top
L1#6  4.7uH  [L_1210_3225Metric]  113.07 140.9 270 top
L1#7  4.7uH  [L_1210_3225Metric]  70.07 140.9 270 top
L1#8  4.7uH  [L_1210_3225Metric]  27.07 140.9 270 top
L1#9  4.7uH  [L_1210_3225Metric]  113.07 203.9 270 top
L1#10  4.7uH  [L_1210_3225Metric]  27.07 14.9 270 top
L1#11  4.7uH  [L_1210_3225Metric]  156.07 77.9 270 top
L1#12  4.7uH  [L_1210_3225Metric]  113.07 77.9 270 top
L1#13  4.7uH  [L_1210_3225Metric]  70.07 14.9 270 top
L1#14  4.7uH  [L_1210_3225Metric]  70.07 203.9 270 top
L1#15  4.7uH  [L_1210_3225Metric]  199.07 14.9 270 top
L1#16  4.7uH  [L_1210_3225Metric]  113.07 14.9 270 top
L1#17  4.7uH  [L_1210_3225Metric]  27.07 77.9 270 top
L1#18  4.7uH  [L_1210_3225Metric]  156.07 140.9 270 top
L1#19  4.7uH  [L_1210_3225Metric]  27.07 203.9 270 top
L1#20  4.7uH  [L_1210_3225Metric]  199.07 203.9 270 top
L2  4.7uH  [L_1210_3225Metric]  71.72 164.14 180 top
L2#2  4.7uH  [L_1210_3225Metric]  200.72 164.14 180 top
L2#3  4.7uH  [L_1210_3225Metric]  114.72 101.14 180 top
L2#4  4.7uH  [L_1210_3225Metric]  28.72 101.14 180 top
L2#5  4.7uH  [L_1210_3225Metric]  200.72 227.14 180 top
L2#6  4.7uH  [L_1210_3225Metric]  157.72 101.14 180 top
L2#7  4.7uH  [L_1210_3225Metric]  28.72 164.14 180 top
L2#8  4.7uH  [L_1210_3225Metric]  114.72 38.14 180 top
L2#9  4.7uH  [L_1210_3225Metric]  157.72 38.14 180 top
L2#10  4.7uH  [L_1210_3225Metric]  200.72 38.14 180 top
L2#11  4.7uH  [L_1210_3225Metric]  114.72 227.14 180 top
L2#12  4.7uH  [L_1210_3225Metric]  114.72 164.14 180 top
L2#13  4.7uH  [L_1210_3225Metric]  28.72 38.14 180 top
L2#14  4.7uH  [L_1210_3225Metric]  71.72 227.14 180 top
L2#15  4.7uH  [L_1210_3225Metric]  157.72 164.14 180 top
L2#16  4.7uH  [L_1210_3225Metric]  157.72 227.14 180 top
L2#17  4.7uH  [L_1210_3225Metric]  28.72 227.14 180 top
L2#18  4.7uH  [L_1210_3225Metric]  71.72 38.14 180 top
L2#19  4.7uH  [L_1210_3225Metric]  200.72 101.14 180 top
L2#20  4.7uH  [L_1210_3225Metric]  71.72 101.14 180 top
Q1  AO3401A  [SOT-23]  82.56 87.22 0 top
Q1#2  AO3401A  [SOT-23]  39.56 213.22 0 top
Q1#3  AO3401A  [SOT-23]  125.56 213.22 0 top
Q1#4  AO3401A  [SOT-23]  125.56 24.22 0 top
Q1#5  AO3401A  [SOT-23]  211.56 24.22 0 top
Q1#6  AO3401A  [SOT-23]  168.56 87.22 0 top
Q1#7  AO3401A  [SOT-23]  39.56 87.22 0 top
Q1#8  AO3401A  [SOT-23]  211.56 87.22 0 top
Q1#9  AO3401A  [SOT-23]  168.56 24.22 0 top
Q1#10  AO3401A  [SOT-23]  82.56 213.22 0 top
Q1#11  AO3401A  [SOT-23]  168.56 213.22 0 top
Q1#12  AO3401A  [SOT-23]  211.56 150.22 0 top
Q1#13  AO3401A  [SOT-23]  82.56 150.22 0 top
Q1#14  AO3401A  [SOT-23]  39.56 150.22 0 top
Q1#15  AO3401A  [SOT-23]  125.56 150.22 0 top
Q1#16  AO3401A  [SOT-23]  125.56 87.22 0 top
Q1#17  AO3401A  [SOT-23]  39.56 24.22 0 top
Q1#18  AO3401A  [SOT-23]  211.56 213.22 0 top
Q1#19  AO3401A  [SOT-23]  82.56 24.22 0 top
Q1#20  AO3401A  [SOT-23]  168.56 150.22 0 top
R1  100K  [R_0603_1608Metric]  117.51 138.11 0 top
R1#2  100K  [R_0603_1608Metric]  74.51 12.1 0 top
R1#3  100K  [R_0603_1608Metric]  160.51 138.11 0 top
R1#4  100K  [R_0603_1608Metric]  203.51 201.1 0 top
R1#5  100K  [R_0603_1608Metric]  117.51 75.1 0 top
R1#6  100K  [R_0603_1608Metric]  117.51 201.1 0 top
R1#7  100K  [R_0603_1608Metric]  160.51 75.1 0 top
R1#8  100K  [R_0603_1608Metric]  31.51 75.1 0 top
R1#9  100K  [R_0603_1608Metric]  117.51 12.1 0 top
R1#10  100K  [R_0603_1608Metric]  31.51 12.1 0 top
R1#11  100K  [R_0603_1608Metric]  74.51 201.1 0 top
R1#12  100K  [R_0603_1608Metric]  203.51 75.1 0 top
R1#13  100K  [R_0603_1608Metric]  203.51 138.11 0 top
R1#14  100K  [R_0603_1608Metric]  160.51 12.1 0 top
R1#15  100K  [R_0603_1608Metric]  74.51 75.1 0 top
R1#16  100K  [R_0603_1608Metric]  31.51 138.11 0 top
R1#17  100K  [R_0603_1608Metric]  203.51 12.1 0 top
R1#18  100K  [R_0603_1608Metric]  160.51 201.1 0 top
R1#19  100K  [R_0603_1608Metric]  31.51 201.1 0 top
R1#20  100K  [R_0603_1608Metric]  74.51 138.11 0 top
R2  22K  [R_0603_1608Metric]  205.39 201.49 90 top
R2#2  22K  [R_0603_1608Metric]  205.39 138.49 90 top
R2#3  22K  [R_0603_1608Metric]  76.39 138.49 90 top
R2#4  22K  [R_0603_1608Metric]  162.39 138.49 90 top
R2#5  22K  [R_0603_1608Metric]  119.39 12.49 90 top
R2#6  22K  [R_0603_1608Metric]  33.39 12.49 90 top
R2#7  22K  [R_0603_1608Metric]  76.39 75.49 90 top
R2#8  22K  [R_0603_1608Metric]  162.39 12.49 90 top
R2#9  22K  [R_0603_1608Metric]  162.39 75.49 90 top
R2#10  22K  [R_0603_1608Metric]  119.39 75.49 90 top
R2#11  22K  [R_0603_1608Metric]  33.39 138.49 90 top
R2#12  22K  [R_0603_1608Metric]  162.39 201.49 90 top
R2#13  22K  [R_0603_1608Metric]  33.39 75.49 90 top
R2#14  22K  [R_0603_1608Metric]  76.39 12.49 90 top
R2#15  22K  [R_0603_1608Metric]  205.39 75.49 90 top
R2#16  22K  [R_0603_1608Metric]  205.39 12.49 90 top
R2#17  22K  [R_0603_1608Metric]  119.39 201.49 90 top
R2#18  22K  [R_0603_1608Metric]  119.39 138.49 90 top
R2#19  22K  [R_0603_1608Metric]  76.39 201.49 90 top
R2#20  22K  [R_0603_1608Metric]  33.39 201.49 90 top
R3  100K  [R_0603_1608Metric]  112.56 159.61 270 top
R3#2  100K  [R_0603_1608Metric]  69.56 96.61 270 top
R3#3  100K  [R_0603_1608Metric]  69.56 33.61 270 top
